# KiCad board PNCATEHO_v5_100x100.kicad_pcb
title: PNCATEHO_v0.5.1; date: 2021-06-23; rev: 0.5.1; company: Aroum
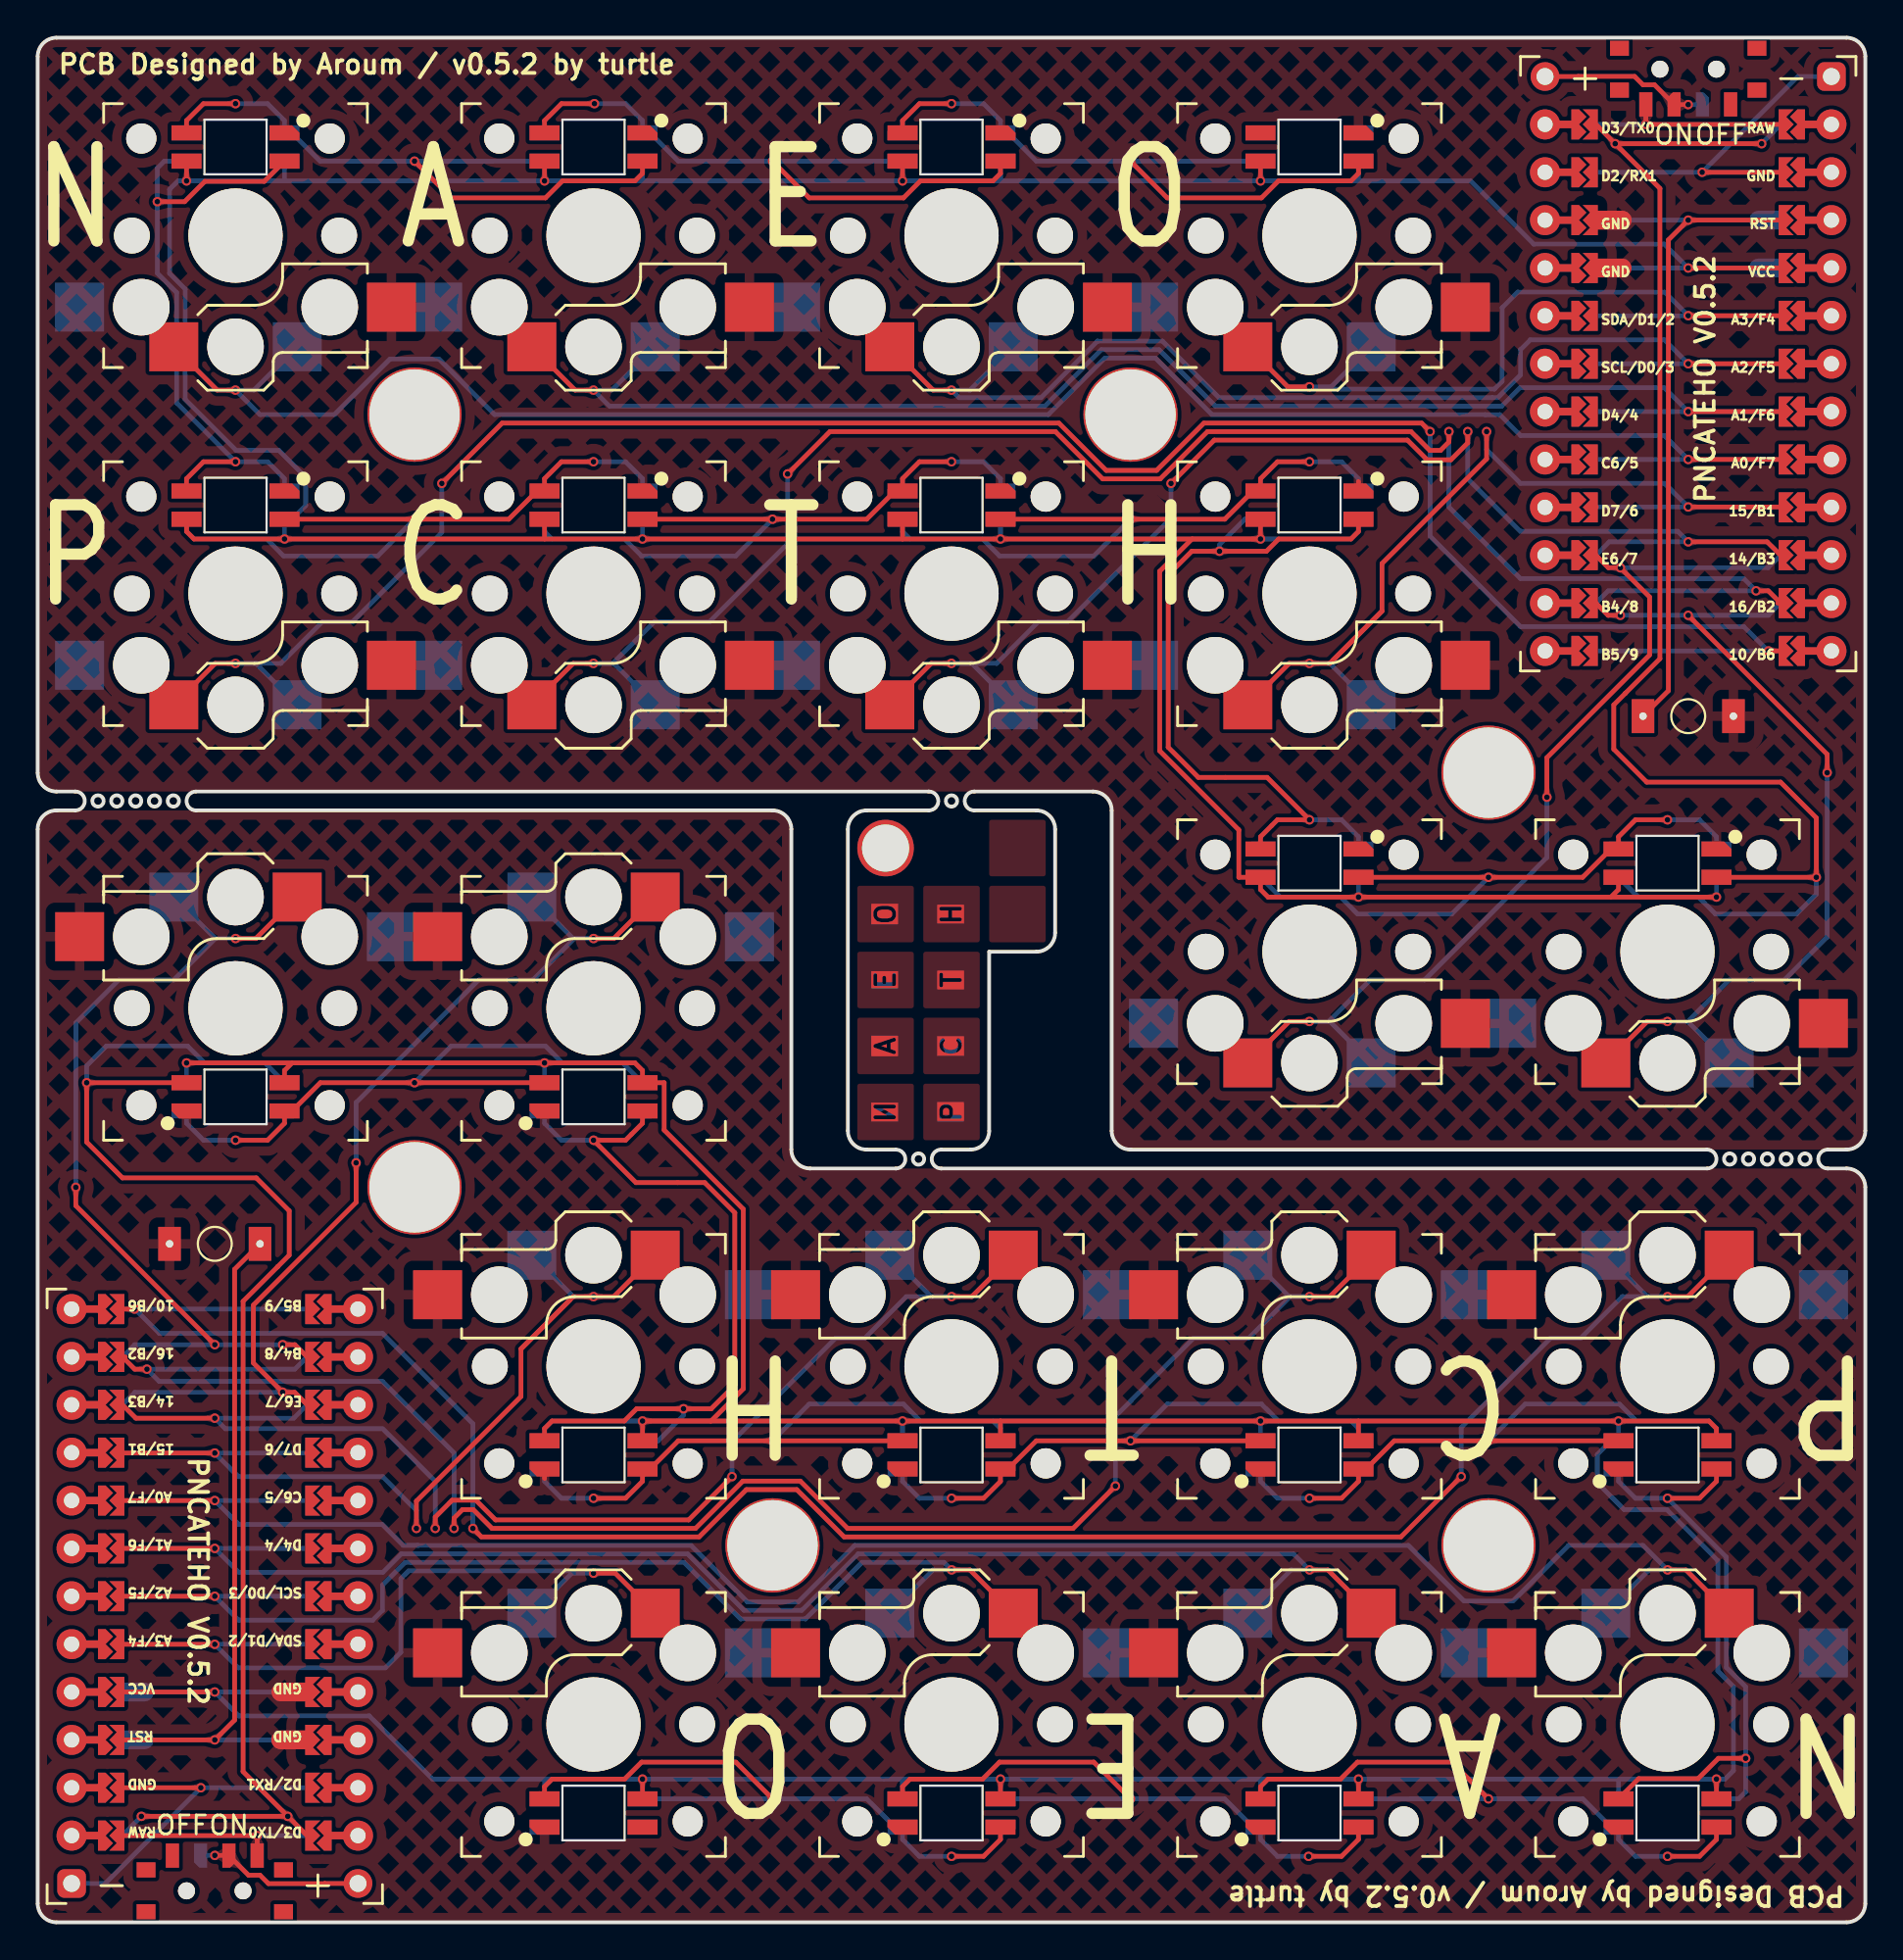
[diagram p0: board, top side]
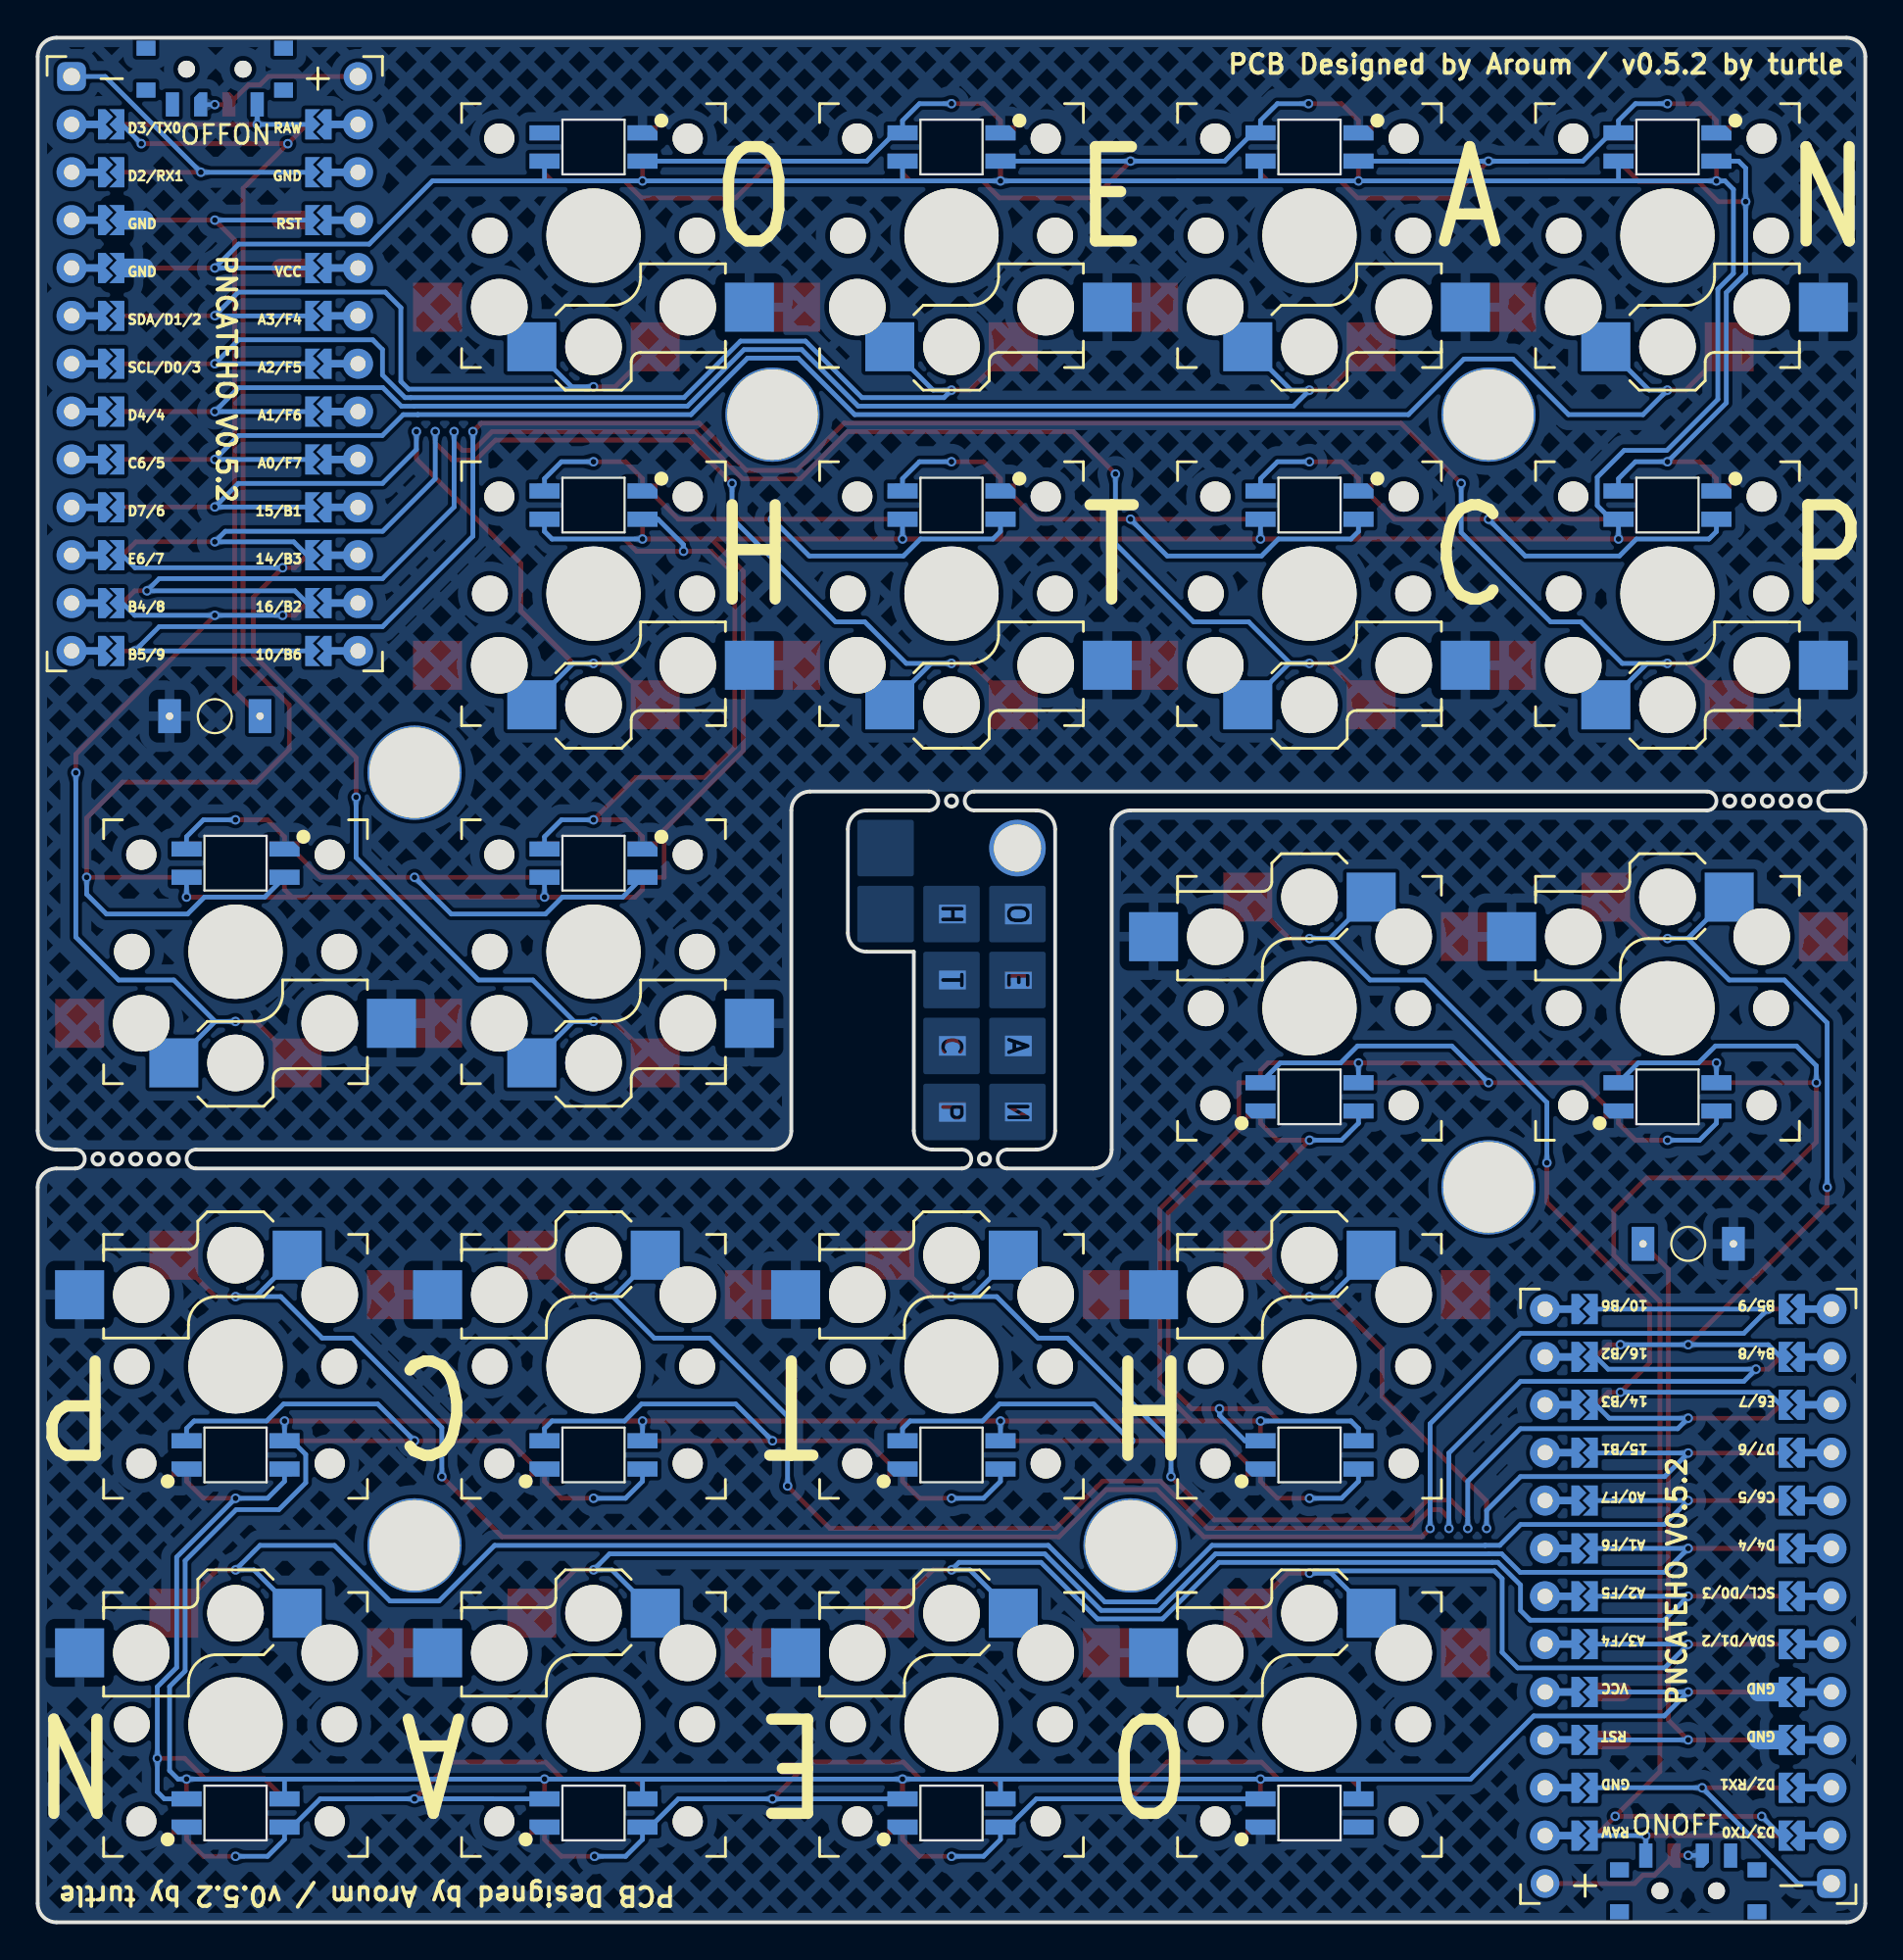
[diagram p1: board, bottom side, seen from below]

Outline 97 x 100 mm; copper layers: Top, Bottom. Coordinates in mm from the lower left corner of the outline.
Outline path: circle c3.2,59.5 r0.3 ; circle c4.2,59.5 r0.3 ; circle c5.2,59.5 r0.3 ; circle c6.2,59.5 r0.3 ; circle c7.2,59.5 r0.3 ; circle c46.75,40.5 r0.3 ; circle c48.5,59.5 r0.3 ; circle c89.8,40.5 r0.3 ; circle c90.8,40.5 r0.3 ; circle c91.8,40.5 r0.3 ; circle c92.8,40.5 r0.3 ; circle c93.8,40.5 r0.3 ; 0,99 0,61 arc(0.29,60.29) 1,60 2,60 arc(2.5,59.5) 2,59 1,59 arc(0.29,58.71) 0,58 0,1 arc(0.29,0.29) 1,0 96,0 arc(96.71,0.29) 97,1 97,39 arc(96.71,39.71) 96,40 95,40 arc(94.5,40.5) 95,41 96,41 arc(96.71,41.29) 97,42 97,99 arc(96.71,99.71) 96,100 1,100 arc(0.29,99.71) 0,99 ; 8.4,60 47.3,60 arc(47.8,59.5) 47.3,59 44,59 arc(43.29,58.71) 43,58 43,42 arc(43.29,41.29) 44,41 45.55,41 arc(46.05,40.5) 45.55,40 41,40 arc(40.29,40.29) 40,41 40,58 arc(39.71,58.71) 39,59 8.4,59 arc(7.9,59.5) 8.4,60 ; 47.95,41 49.5,41 arc(50.21,41.29) 50.5,42 50.5,51.5 53,51.5 arc(53.71,51.79) 54,52.5 54,58 arc(53.71,58.71) 53,59 49.7,59 arc(49.2,59.5) 49.7,60 56,60 arc(56.71,59.71) 57,59 57,42 arc(57.29,41.29) 58,41 88.6,41 arc(89.1,40.5) 88.6,40 47.95,40 arc(47.45,40.5) 47.95,41
Stack: Top 0.035mm / dielectric 1.51mm FR4 er 4.5 / Bottom 0.035mm

## Placement (name value [footprint] x y rotation side)
H1  -  [Hole]  77 20 180 top
H1#2  -  [Hole]  20 80 0 top
H2  -  [Hole]  39 20 180 top
H2#2  -  [Hole]  58 80 0 top
H3  -  [Hole]  20 39 180 top
H3#2  -  [Hole]  77 61 0 top
J1  TestPoint_2Pole  [battery_conn_duplex]  87.6 82.7 0 top
J1#2  TestPoint_2Pole  [battery_conn_duplex]  9.4 17.3 180 top
LED1  YS-SK6812MINI-E  [YS-SK6812MINI-E_duplex]  86.5 56.2 0 bottom
LED1#2  YS-SK6812MINI-E  [YS-SK6812MINI-E_duplex]  10.5 43.8 180 bottom
LED2  YS-SK6812MINI-E  [YS-SK6812MINI-E_duplex]  67.5 56.2 0 bottom
LED2#2  YS-SK6812MINI-E  [YS-SK6812MINI-E_duplex]  29.5 43.8 180 bottom
LED3  YS-SK6812MINI-E  [YS-SK6812MINI-E_duplex]  67.5 75.2 0 bottom
LED3#2  YS-SK6812MINI-E  [YS-SK6812MINI-E_duplex]  29.5 24.8 180 bottom
LED4  YS-SK6812MINI-E  [YS-SK6812MINI-E_duplex]  48.5 24.8 180 bottom
LED4#2  YS-SK6812MINI-E  [YS-SK6812MINI-E_duplex]  48.5 75.2 0 bottom
LED5  YS-SK6812MINI-E  [YS-SK6812MINI-E_duplex]  29.5 75.2 0 bottom
LED5#2  YS-SK6812MINI-E  [YS-SK6812MINI-E_duplex]  67.5 24.8 180 bottom
LED6  YS-SK6812MINI-E  [YS-SK6812MINI-E_duplex]  86.5 24.8 180 bottom
LED6#2  YS-SK6812MINI-E  [YS-SK6812MINI-E_duplex]  10.5 75.2 0 bottom
LED7  YS-SK6812MINI-E  [YS-SK6812MINI-E_duplex]  86.5 5.8 180 bottom
LED7#2  YS-SK6812MINI-E  [YS-SK6812MINI-E_duplex]  10.5 94.2 0 bottom
LED8  YS-SK6812MINI-E  [YS-SK6812MINI-E_duplex]  29.5 94.2 0 bottom
LED8#2  YS-SK6812MINI-E  [YS-SK6812MINI-E_duplex]  67.5 5.8 180 bottom
LED9  YS-SK6812MINI-E  [YS-SK6812MINI-E_duplex]  48.5 5.8 180 bottom
LED9#2  YS-SK6812MINI-E  [YS-SK6812MINI-E_duplex]  48.5 94.2 0 bottom
LED10  YS-SK6812MINI-E  [YS-SK6812MINI-E_duplex]  29.5 5.8 180 bottom
LED10#2  YS-SK6812MINI-E  [YS-SK6812MINI-E_duplex]  67.5 94.2 0 bottom
NOREF  -  [unnamed]  45 57 0 top
PSW1  SW_SPDT  [MSK-12C02_DUAL]  9.4 0.4 180 top
PSW1#2  SW_SPDT  [MSK-12C02_DUAL]  87.6 99.6 0 top
RSW1  SW_PUSH  [SW_3x4x2_2legs_duplex]  87.6 64 0 top
RSW1#2  SW_PUSH  [SW_3x4x2_2legs_duplex]  9.4 36 180 top
SW1  SW_PUSH  [Kailh_socket_PG1350_reversible]  86.5 10.5 180 top
SW1#2  SW_PUSH  [Kailh_socket_PG1350_reversible]  10.5 89.5 0 top
SW2  SW_PUSH  [Kailh_socket_PG1350_reversible]  29.5 89.5 0 top
SW2#2  SW_PUSH  [Kailh_socket_PG1350_reversible]  67.5 10.5 180 top
SW3  SW_PUSH  [Kailh_socket_PG1350_reversible]  48.5 89.5 0 top
SW3#2  SW_PUSH  [Kailh_socket_PG1350_reversible]  48.5 10.5 180 top
SW4  SW_PUSH  [Kailh_socket_PG1350_reversible]  29.5 10.5 180 top
SW4#2  SW_PUSH  [Kailh_socket_PG1350_reversible]  67.5 89.5 0 top
SW5  SW_PUSH  [Kailh_socket_PG1350_reversible]  86.5 29.5 180 top
SW5#2  SW_PUSH  [Kailh_socket_PG1350_reversible]  10.5 70.5 0 top
SW6  SW_PUSH  [Kailh_socket_PG1350_reversible]  67.5 29.5 180 top
SW6#2  SW_PUSH  [Kailh_socket_PG1350_reversible]  29.5 70.5 0 top
SW7  SW_PUSH  [Kailh_socket_PG1350_reversible]  48.5 70.5 0 top
SW7#2  SW_PUSH  [Kailh_socket_PG1350_reversible]  48.5 29.5 180 top
SW8  SW_PUSH  [Kailh_socket_PG1350_reversible]  67.5 70.5 0 top
SW8#2  SW_PUSH  [Kailh_socket_PG1350_reversible]  29.5 29.5 180 top
SW9  SW_PUSH  [Kailh_socket_PG1350_reversible]  29.5 48.5 180 top
SW9#2  SW_PUSH  [Kailh_socket_PG1350_reversible]  67.5 51.5 0 top
SW10  SW_PUSH  [Kailh_socket_PG1350_reversible]  86.5 51.5 0 top
SW10#2  SW_PUSH  [Kailh_socket_PG1350_reversible]  10.5 48.5 180 top
U1  ProMicro_r  [ProMicro_duplex_mirrored]  87.6 82.7 0 top
U1#2  ProMicro_r  [ProMicro_duplex_mirrored]  9.4 17.3 180 top

## Footprints (pads in the part's own frame, mm; a bottom-side part is the same pattern mirrored in y, then rotated)
battery_conn_duplex
  round 1.524 hole 0.9: 1(-7.6,15.24)
  rrect 1.524x1.524 hole 0.9: 2(7.6,15.24)
Hole
  round 5 hole 4.8 unplated: (0,0)
Kailh_socket_PG1350_reversible
  round 1.9 hole 1.9 unplated: (-5.5,0) (5.5,0)
  round 1.6 hole 1.6 unplated: (-5,5.15) (5,5.15)
  round 3 hole 3 unplated: (-5,-3.8) (0,-5.9) (5,-3.8)
  round 5 hole 5 unplated: (0,0)
  rect 2.6x2.6 smd: 1(-3.275,-5.9) 2(8.275,-3.8)
  rect 2.6x2.6 smd far side: 1(3.275,-5.9) 2(-8.275,-3.8)
MSK-12C02_DUAL
  rect 1x0.8 smd: (-3.65,-0.16) (-3.65,-2.38) (3.65,-0.16) (3.65,-2.38)
  rect 1x0.8 smd far side: (-3.65,-0.16) (-3.65,-2.38) (3.65,-0.16) (3.65,-2.38)
  round 0.9 hole 0.9 unplated: (-1.5,-1.27) (1.5,-1.27)
  rect 0.7x1.28 smd: 1(-2.25,-3.14) 3(2.25,-3.14)
  rect 0.7x1.28 smd far side: 1(-2.25,-3.14) 3(2.25,-3.14)
  rrect 0.7x1.28 smd: 2(-0.75,-3.14)
  rrect 0.7x1.28 smd far side: 2(0.75,-3.14)
ProMicro_duplex_mirrored
  custom 3x1.6 hole 0.813: (-7.6,12.7) (-7.6,10.16) (-7.6,7.62) (-7.6,5.08) (-7.6,2.54) (-7.6,0) (-7.6,-2.54) (-7.6,-5.08) (-7.6,-7.62) (-7.6,-10.16) (-7.6,-12.7) (-7.6,-15.24) (7.6,12.7) (7.6,10.16) (7.6,7.62) (7.6,5.08) (7.6,2.54) (7.6,0) (7.6,-2.54) (7.6,-5.08) (7.6,-7.62) (7.6,-10.16) (7.6,-12.7) (7.6,-15.24)
  custom 0.8x1.6 smd: 1(-4.9,12.7) 2(-4.9,10.16) 3(-4.9,7.62) 4(-4.9,5.08) 5(-4.9,2.54) 6(-4.9,0) 7(-4.9,-2.54) 8(-4.9,-5.08) 9(-4.9,-7.62) 10(-4.9,-10.16) 11(-4.9,-12.7) 12(-4.9,-15.24) 13(4.9,-15.24) 14(4.9,-12.7) 15(4.9,-10.16) 16(4.9,-7.62) 17(4.9,-5.08) 18(4.9,-2.54) 19(4.9,0) 20(4.9,2.54) 21(4.9,5.08) 22(4.9,7.62) 23(4.9,10.16) 24(4.9,12.7)
  custom 0.8x1.6 smd far side: 1(4.9,12.7) 2(4.9,10.16) 3(4.9,7.62) 4(4.9,5.08) 5(4.9,2.54) 6(4.9,0) 7(4.9,-2.54) 8(4.9,-5.08) 9(4.9,-7.62) 10(4.9,-10.16) 11(4.9,-12.7) 12(4.9,-15.24) 13(-4.9,-15.24) 14(-4.9,-12.7) 15(-4.9,-10.16) 16(-4.9,-7.62) 17(-4.9,-5.08) 18(-4.9,-2.54) 19(-4.9,0) 20(-4.9,2.54) 21(-4.9,5.08) 22(-4.9,7.62) 23(-4.9,10.16) 24(-4.9,12.7)
SW_3x4x2_2legs_duplex
  rect 1.2x1.8 hole 0.4: 1(-2.4,0) 2(2.4,0)
unnamed
  round 3 hole 2.5 unplated: (0,0)
YS-SK6812MINI-E_duplex
  rect 1.6x0.8 smd far side: 1(-2.6,0.75) 2(-2.6,-0.75) 4(2.6,0.75)
  rect 1.6x0.8 smd: 1(2.6,0.75) 2(2.6,-0.75) 4(-2.6,0.75)
  rrect 1.6x0.8 smd: 3(-2.6,-0.75)
  rrect 1.6x0.8 smd far side: 3(2.6,-0.75)

## Nets
GND: LED1.3 LED1#2.3 LED2.3 LED2#2.3 LED3.3 LED3#2.3 LED4.3 LED4#2.3 LED5.3 LED5#2.3 LED6.3 LED6#2.3 LED7.3 LED7#2.3 LED8.3 LED8#2.3 LED9.3 LED9#2.3 LED10.3 LED10#2.3 RSW1.2 RSW1#2.2 SW1.2 SW1#2.2 SW2.2 SW2#2.2 SW3.2 SW3#2.2 SW4.2 SW4#2.2 SW5.2 SW5#2.2 SW6.2 SW6#2.2 SW7.2 SW7#2.2 SW8.2 SW8#2.2 SW9.2 SW9#2.2 SW10.2 SW10#2.2 U1.3 U1.4 U1#2.3 U1#2.4
VBAT: PSW1.1 PSW1#2.1 U1.24 U1#2.24
VCC: LED1.1 LED1#2.1 LED2.1 LED2#2.1 LED3.1 LED3#2.1 LED4.1 LED4#2.1 LED5.1 LED5#2.1 LED6.1 LED6#2.1 LED7.1 LED7#2.1 LED8.1 LED8#2.1 LED9.1 LED9#2.1 LED10.1 LED10#2.1 U1.21 U1#2.21
LED: LED1.4 LED1#2.4 U1.1 U1#2.1
R1C1: SW1.1 SW1#2.1 U1.17 U1#2.17
R1C2: SW2.1 SW2#2.1 U1.18 U1#2.18
R1C3: SW3.1 SW3#2.1 U1.19 U1#2.19
R1C4: SW4.1 SW4#2.1 U1.20 U1#2.20
R2C1: SW5.1 SW5#2.1 U1.13 U1#2.13
R2C2: SW6.1 SW6#2.1 U1.14 U1#2.14
R2C3: SW7.1 SW7#2.1 U1.15 U1#2.15
R2C4: SW8.1 SW8#2.1 U1.16 U1#2.16
R3C4: SW9.1 SW9#2.1 U1.10 U1#2.10
R3C5: SW10.1 SW10#2.1 U1.11 U1#2.11
reset: RSW1.1 RSW1#2.1 U1.22 U1#2.22
Net-(J1-Pad2): J1.2 J1#2.2 U1.23 U1#2.23
Net-(LED1-DOUT): LED1.2 LED1#2.2 LED2.4 LED2#2.4
Net-(LED2-DOUT): LED2.2 LED2#2.2 LED3.4 LED3#2.4
Net-(LED3-DOUT): LED3.2 LED3#2.2 LED4.4 LED4#2.4
Net-(LED4-DOUT): LED4.2 LED4#2.2 LED5.4 LED5#2.4
Net-(LED5-DOUT): LED5.2 LED5#2.2 LED6.4 LED6#2.4
Net-(LED6-DOUT): LED6.2 LED6#2.2 LED7.4 LED7#2.4
Net-(LED7-DOUT): LED7.2 LED7#2.2 LED8.4 LED8#2.4
Net-(LED8-DOUT): LED8.2 LED8#2.2 LED9.4 LED9#2.4
Net-(LED10-DIN): LED9.2 LED9#2.2 LED10.4 LED10#2.4
Net-(PSW1-B): J1.1 J1#2.1 PSW1.2 PSW1#2.2

Pads without a net: LED10 2; LED10#2 2; PSW1 3; PSW1#2 3; U1 2 5 6 7 8 9 12; U1#2 2 5 6 7 8 9 12

## Via types
v1: diameter 0.5, hole 0.3, Top to Bottom, 132 vias

## Routing (per net, layer and track width the routed paths; a pad name or vN(x,y) marks a point on that pad's centre or on a via; arc(x,y) is an arc through that point)
GND: length 13.1
  Top w0.25: 70.1,75.8 70.1,76.45 ; 57.78,84.92 57.78,85.7 ; 39.22,15.08 39.22,14.3 ; 26.9,24.2 26.9,23.55
  Top w1: U1#2.3 12.9,9.68 ; U1#2.4 12.91,12.22 ; U1.3 84.1,90.32 ; U1.4 84.09,87.78
  Bottom w1: U1#2.4 5.66,12.22 ; U1.3 91.34,90.32 ; U1#2.3 5.66,9.68 ; U1.4 91.34,87.78
VBAT: length 23.8
  Top w0.25: U1.24 v1(85.35,95.4) PSW1#2.1 ; PSW1.1 v1(11.65,4.6) U1#2.24
  Bottom w0.25: U1#2.24 v1(11.65,4.6) PSW1.1 ; U1.24 v1(85.35,95.4) PSW1#2.1
VCC: length 504.4
  Top w0.25: v1(64.9,73.4) v1(51.1,73.4) 45.9,73.4 ; v1(64.9,73.4) LED3.1 ; v1(64.9,73.4) 61.26,73.4 59.55,71.69 59.55,62.16 63.75,57.96 63.75,55.45 LED2.1 64.9,54.8 65.3,54.4 v1(70.1,54.4) 83.5,54.4 ; LED5.1 26.9,73.4 ; 26.9,73.4 v1(32.1,73.4) 45.9,73.4 ; 26.9,73.4 v1(13.1,73.4) 8.3,73.4 7.9,73.8 LED6#2.1 ; LED9.1 v1(51.1,7.6) ; 51.1,26.6 v1(64.9,26.6) 70.1,26.6 ; 51.1,26.6 v1(45.9,26.6) v1(32.1,26.6) ; 51.1,26.6 LED4.1 ; 45.9,73.4 LED4#2.1 ; 83.5,54.4 83.9,54.8 LED1.1 ; 83.5,54.4 v1(89.1,54.4) ; v1(9.4,12.22) U1#2.21 ; LED1#2.1 13.1,45.2 13.5,45.6 ; 13.5,45.6 v1(26.9,45.6) 31.7,45.6 32.1,45.2 LED2#2.1 33.25,44.55 33.25,42.04 37.45,37.84 37.45,28.31 35.74,26.6 v1(32.1,26.6) ; 13.5,45.6 v1(7.9,45.6) ; v1(87.6,87.78) U1.21 ; LED8#2.1 v1(70.1,7.6) ; LED10.1 v1(32.1,7.6) ; LED3#2.1 v1(32.1,26.6) ; 70.1,26.6 LED5#2.1 ; 70.1,26.6 v1(83.9,26.6) 88.7,26.6 89.1,26.2 LED6.1 ; LED8.1 v1(26.9,92.4) ; LED7#2.1 v1(7.9,92.4) ; LED10#2.1 v1(64.9,92.4) ; LED9#2.1 v1(45.9,92.4) ; LED7.1 v1(89.1,7.6)
  Bottom w0.25: LED2#2.1 v1(26.9,45.6) ; 16.02,92.4 36.5,92.4 ; 36.5,92.4 32.1,92.4 LED8.1 ; 36.5,92.4 v1(45.9,92.4) 51.1,92.4 ; LED3#2.1 26.9,26.2 27.3,26.6 v1(32.1,26.6) ; v1(83.9,26.6) LED6.1 83.5,25.55 82.77,24.82 82.77,23.32 84.2,21.9 86.46,21.9 89.17,19.19 89.17,13.34 90,12.51 90,8.05 89.55,7.6 v1(89.1,7.6) 83.9,7.6 ; LED10.1 26.9,7.6 ; 26.9,7.6 20.95,7.6 17.6,10.95 10.67,10.95 v1(9.4,12.22) U1#2.21 ; 26.9,7.6 45.9,7.6 ; 13.1,92.4 16.75,92.4 ; 13.1,92.4 LED7#2.1 ; 13.1,92.4 v1(7.9,92.4) 7.45,92.4 7,91.95 7,87.49 7.83,86.66 7.83,80.81 10.54,78.1 12.8,78.1 14.23,76.68 14.23,75.18 13.5,74.45 LED6#2.1 v1(13.1,73.4) ; LED3.1 70.1,73.8 69.7,73.4 v1(64.9,73.4) ; LED4#2.1 v1(51.1,73.4) ; 83.9,7.6 80.25,7.6 ; 83.9,7.6 LED7.1 ; 45.9,7.6 LED9.1 ; 45.9,7.6 v1(51.1,7.6) 60.5,7.6 ; LED10#2.1 70.1,92.4 ; 70.1,92.4 76.05,92.4 79.4,89.05 86.33,89.05 v1(87.6,87.78) U1.21 ; 70.1,92.4 51.1,92.4 ; LED9#2.1 51.1,92.4 ; 60.5,7.6 64.9,7.6 LED8#2.1 ; 60.5,7.6 80.98,7.6 ; LED5#2.1 v1(64.9,26.6) ; LED1.1 v1(89.1,54.4) ; LED5.1 v1(32.1,73.4) ; LED1#2.1 v1(7.9,45.6) ; LED2.1 v1(70.1,54.4) ; LED4.1 v1(45.9,26.6)
LED: length 156.3
  Top w0.25: LED1#2.4 v1(2.6,44.55) 2.6,41.4 4.5,39.5 11.6,39.5 13.35,37.75 13.35,35.4 12.73,34.78 12.73,34.77 12.72,34.77 10.9,32.95 10.9,8 v1(13.27,5.62) ; v1(91.5,94.38) v1(83.72,94.38) ; v1(83.72,94.38) 86.1,92 86.1,67.05 84.28,65.23 84.27,65.23 84.27,65.22 83.65,64.6 83.65,62.25 85.4,60.5 92.5,60.5 94.4,58.6 v1(94.4,55.45) LED1.4 ; v1(83.72,94.38) U1.1 ; v1(5.5,5.62) v1(13.27,5.62) ; v1(13.27,5.62) U1#2.1
  Bottom w0.25: v1(2.6,44.55) 2.6,45.45 3.65,46.5 7.95,46.5 8.85,45.6 12.05,45.6 LED1#2.4 ; v1(5.5,5.62) 4.5,4.62 U1#2.1 ; LED1.4 84.95,54.4 88.14,54.4 89.05,53.5 93.35,53.5 94.4,54.55 v1(94.4,55.45) ; v1(91.5,94.38) 92.5,95.38 U1.1
R1C1: length 203.6
  Top w0.25: v1(10.5,81.3) 9.52,81.3 SW1#2.1 ; v1(86.5,18.7) 87.47,18.7 SW1.1 ; v1(87.6,77.62) U1.17 ; v1(9.4,22.38) U1#2.17
  Bottom w0.25: SW1#2.1 11.48,81.3 v1(10.5,81.3) 11.8,80 15.75,80 18.7,82.95 21.3,82.95 24.25,80 53.64,80 56.64,83 59.33,83 62.32,80 76.83,80 76.83,80 77.6,80 78.71,78.89 86.33,78.89 v1(87.6,77.62) U1.17 ; U1#2.17 v1(9.4,22.38) 10.67,21.11 18.29,21.11 19.4,20 20.17,20 20.17,20 34.68,20 37.67,17 40.36,17 43.36,20 72.75,20 75.7,17.05 78.3,17.05 81.25,20 85.2,20 v1(86.5,18.7) 85.53,18.7 SW1.1
R1C2: length 160.2
  Top w0.25: v1(67.5,18.7) 68.47,18.7 SW2#2.1 ; v1(87.6,80.16) U1.18 ; SW2.1 28.52,81.3 v1(29.5,81.3) ; v1(9.4,19.84) U1#2.18
  Bottom w0.25: U1#2.18 v1(9.4,19.84) 10.67,18.57 18.32,18.57 19.3,19.55 19.99,19.55 19.99,19.55 34.49,19.55 37.49,16.55 40.55,16.55 43.55,19.55 66.65,19.55 v1(67.5,18.7) 66.53,18.7 SW2#2.1 ; U1.18 v1(87.6,80.16) 86.33,81.43 78.68,81.43 77.7,80.45 77.01,80.45 77.01,80.45 62.51,80.45 59.51,83.45 56.45,83.45 53.45,80.45 30.35,80.45 v1(29.5,81.3) 30.48,81.3 SW2.1
R1C3: length 125.2
  Top w0.25: SW3#2.1 49.47,18.7 v1(48.5,18.7) ; v1(48.5,81.3) 47.53,81.3 SW3.1 ; v1(9.4,17.3) U1#2.19 ; v1(87.6,82.7) U1.19
  Bottom w0.25: SW3#2.1 47.53,18.7 v1(48.5,18.7) 48.1,19.1 43.75,19.1 40.75,16.1 37.3,16.1 34.3,19.1 19.8,19.1 19.8,19.1 19.5,19.1 18.3,17.9 18.3,16.55 17.78,16.03 10.67,16.03 v1(9.4,17.3) U1#2.19 ; SW3.1 49.47,81.3 v1(48.5,81.3) 48.9,80.9 53.25,80.9 56.25,83.9 59.7,83.9 62.7,80.9 77.2,80.9 77.2,80.9 77.5,80.9 78.7,82.1 78.7,83.45 79.22,83.97 86.33,83.97 v1(87.6,82.7) U1.19
R1C4: length 86.4
  Top w0.25: SW4#2.1 66.35,81.48 v1(67.5,81.48) ; v1(9.4,14.75) 4.51,14.75 ; SW4.1 30.65,18.52 v1(29.5,18.52) ; v1(87.6,85.25) 92.49,85.25
  Bottom w0.25: U1.20 87.49,85.24 87.5,85.25 v1(87.6,85.25) 86.35,86.5 78.55,86.5 77.72,85.67 77.72,81.76 77.32,81.35 67.75,81.35 67.62,81.48 v1(67.5,81.48) 68.65,81.48 SW4#2.1 ; SW4.1 28.35,18.52 v1(29.5,18.52) 29.38,18.52 29.25,18.65 19.68,18.65 19.27,18.24 19.27,14.33 18.45,13.5 10.65,13.5 v1(9.4,14.75) 9.5,14.75 9.51,14.76 U1#2.20
R2C1: length 234.4
  Top w0.25: v1(75.55,23.65) 72.35,20.45 42.8,20.45 40.29,22.96 37.61,22.96 35.1,20.45 23.55,20.45 v1(23.1,20.9) ; v1(21.45,76.35) 24.65,79.55 54.2,79.55 56.71,77.04 59.39,77.04 61.9,79.55 73.45,79.55 v1(73.9,79.1) ; SW5.1 87.58,33.2 v1(86.5,33.2) ; v1(10.5,66.8) 9.42,66.8 SW5#2.1 ; v1(5.14,32.54) U1#2.13 ; v1(91.86,67.46) U1.13
  Bottom w0.25: v1(21.45,76.35) 21.45,73.75 16.7,69 15.1,69 12.9,66.8 v1(10.5,66.8) 11.58,66.8 SW5#2.1 ; 14.3,32.55 U1#2.13 v1(5.14,32.54) 5.18,32.5 5.2,32.5 6.45,31.25 18.3,31.25 23.1,26.45 v1(23.1,20.9) ; 13.5,63.82 14,63.82 ; v1(73.9,79.1) 73.9,73.55 78.7,68.75 90.55,68.75 91.8,67.5 91.82,67.5 v1(91.86,67.46) U1.13 82.7,67.45 ; SW5.1 85.42,33.2 v1(86.5,33.2) 84.1,33.2 81.9,31 80.3,31 75.55,26.25 v1(75.55,23.65) ; 83.5,36.18 83,36.18
R2C2: length 193.9
  Top w0.25: v1(29.5,66.8) 28.42,66.8 SW6#2.1 ; v1(22.1,20.9) 22.1,21.45 22.55,21.9 23.11,21.9 24.11,20.9 34.92,20.9 37.43,23.41 40.48,23.41 42.99,20.9 54.95,20.9 v1(57.2,23.15) ; v1(5.8,29.35) 5.15,29.35 U1#2.14 4.65,30 ; v1(91.2,70.65) 91.85,70.65 U1.14 92.35,70 ; v1(74.9,79.1) 74.9,78.55 74.45,78.1 73.89,78.1 72.89,79.1 62.08,79.1 59.57,76.59 56.52,76.59 54.01,79.1 42.05,79.1 v1(39.8,76.85) ; v1(67.5,33.2) 68.58,33.2 SW6.1
  Bottom w0.25: 39.85,76.9 v1(39.8,76.85) 39.8,73.15 35.65,69 32.72,69 30.52,66.8 v1(29.5,66.8) 30.58,66.8 SW6#2.1 ; U1#2.14 13.65,29.35 v1(5.8,29.35) 6.45,28.7 18.3,28.7 22.1,24.9 v1(22.1,20.9) ; 57.15,23.1 v1(57.2,23.15) 57.2,26.85 61.35,31 64.28,31 66.48,33.2 v1(67.5,33.2) 66.42,33.2 SW6.1 ; U1.14 83.35,70.65 v1(91.2,70.65) 90.55,71.3 78.7,71.3 74.9,75.1 v1(74.9,79.1)
R2C3: length 138.5
  Top w0.25: 9.39,26.75 5.21,26.75 U1#2.15 ; v1(60.15,76.35) 62.45,78.65 72.7,78.65 73.75,77.6 75,77.6 75.9,78.5 v1(75.9,79.1) ; SW7#2.1 49.58,33.2 v1(48.5,33.2) ; 87.61,73.25 91.79,73.25 U1.15 ; SW7.1 47.42,66.8 v1(48.5,66.8) ; v1(21.1,20.9) 21.1,21.5 22,22.4 23.25,22.4 24.3,21.35 34.55,21.35 v1(36.85,23.65)
  Bottom w0.25: 87.59,73.25 83.41,73.25 U1.15 ; v1(75.9,79.1) 75.9,76.6 78.69,73.81 87.04,73.81 v1(87.6,73.25) ; SW7#2.1 47.42,33.2 v1(48.5,33.2) 46.1,33.2 43.9,31 42.35,31 36.85,25.5 v1(36.85,23.65) 36.77,23.58 ; 60.22,76.42 v1(60.15,76.35) 60.15,74.5 54.65,69 53.1,69 50.9,66.8 v1(48.5,66.8) 49.58,66.8 SW7.1 ; v1(9.4,26.75) 9.96,26.19 18.31,26.19 21.1,23.4 v1(21.1,20.9) ; 9.41,26.75 13.59,26.75 U1#2.15
R2C4: length 103.1
  Top w0.25: 25.65,30.42 28.25,33.03 ; 25.65,30.42 28.42,33.2 v1(29.5,33.2) 30.58,33.2 SW8#2.1 ; 25.65,30.42 25.65,27.9 20.1,22.35 v1(20.1,20.9) ; v1(76.9,79.1) 76.9,77.65 71.35,72.1 71.35,69.58 ; 71.35,69.58 68.75,66.97 ; 71.35,69.58 68.58,66.8 v1(67.5,66.8) 66.42,66.8 SW8.1 ; v1(9.4,24.9) 4.52,24.9 ; v1(87.6,75.1) 92.48,75.1
  Bottom w0.25: 70.75,64.6 SW8.1 68.58,66.8 v1(67.5,66.8) ; v1(76.9,79.1) 76.9,78.15 78.7,76.35 86.35,76.35 v1(87.6,75.1) 82.72,75.1 ; v1(29.5,33.2) 28.42,33.2 SW8#2.1 26.25,35.4 ; v1(20.1,20.9) 20.1,21.85 18.3,23.65 10.65,23.65 v1(9.4,24.9) 14.28,24.9
R3C4: length 106.4
  Top w0.25: v1(16.9,40.3) 16.9,38.2 11.45,32.75 11.45,29.67 v1(13,28.12) 13.63,28.12 U1#2.10 ; v1(80.1,59.7) 80.1,61.8 85.55,67.25 85.55,70.33 v1(84,71.88) 83.36,71.88 U1.10 ; v1(67.5,47.8) 66.42,47.8 SW9#2.1 ; v1(29.5,52.2) 30.58,52.2 SW9.1
  Bottom w0.25: U1.10 91.83,71.88 v1(84,71.88) ; SW9#2.1 68.58,47.8 v1(67.5,47.8) 68.52,47.8 70.72,50 73.6,50 80.1,56.5 v1(80.1,59.7) ; SW9.1 28.42,52.2 v1(29.5,52.2) 28.48,52.2 26.28,50 23.4,50 16.9,43.5 v1(16.9,40.3) ; v1(13,28.12) 5.16,28.12 U1#2.10
R3C5: length 96.2
  Top w0.25: v1(13,30.65) 13.65,30.65 U1#2.11 ; SW10.1 85.42,47.8 v1(86.5,47.8) ; v1(94.98,61) 94.98,61.97 v1(87.6,69.35) ; v1(84,69.35) 83.35,69.35 U1.11 ; v1(10.5,52.2) 11.58,52.2 SW10#2.1 ; v1(2.02,39) 2.02,38.03 v1(9.4,30.65)
  Bottom w0.25: U1#2.11 5.15,30.65 v1(9.4,30.65) v1(13,30.65) ; 87.58,47.8 SW10.1 ; 87.58,47.8 89.78,50 92.7,50 94.98,52.28 v1(94.98,61) ; 87.58,47.8 v1(86.5,47.8) ; v1(10.5,52.2) 9.42,52.2 ; 9.42,52.2 7.23,50 4.3,50 2.02,47.72 v1(2.02,39) ; 9.42,52.2 SW10#2.1 ; U1.11 91.85,69.35 v1(87.6,69.35) v1(84,69.35)
reset: length 74.2
  Top w0.25: RSW1.1 86.55,65.35 86.55,89.27 v1(87.6,90.32) U1.22 ; RSW1#2.1 10.45,34.65 10.45,10.73 v1(9.4,9.68) U1#2.22
  Bottom w0.25: v1(9.4,9.68) U1#2.22 ; v1(87.6,90.32) U1.22
Net-(J1-Pad2): length 37.5
  Top w0.25: v1(88.34,92.86) U1.23 ; v1(8.66,7.14) U1#2.23
  Bottom w0.25: U1#2.23 v1(8.66,7.14) 3.58,2.06 J1#2.2 ; U1.23 v1(88.34,92.86) 93.42,97.94 J1.2
Net-(LED1-DOUT): length 70.8
  Top w0.25: LED2#2.4 v1(20,44.55) 15,44.55 13.5,43.05 LED1#2.2 13.1,42.4 12.2,41.5 v1(10.5,41.5) ; LED2.4 v1(77,55.45) 82,55.45 83.5,56.95 LED1.2 83.9,57.6 84.8,58.5 v1(86.5,58.5)
  Bottom w0.25: v1(86.5,58.5) 88.2,58.5 89.1,57.6 LED1.2 ; v1(20,44.55) 21.95,46.5 26.95,46.5 27.85,45.6 31.05,45.6 LED2#2.4 ; LED2.4 65.95,54.4 69.15,54.4 70.05,53.5 75.05,53.5 v1(77,55.45) ; LED1#2.2 7.9,42.4 8.8,41.5 v1(10.5,41.5)
Net-(LED2-DOUT): length 80.6
  Top w0.25: LED3.4 70.1,73.8 69.7,73.4 65.86,73.4 65.21,72.75 v1(62.72,72.75) 61.25,72.75 60,71.5 60,62.35 61.6,60.75 65.25,60.75 v1(67.5,58.5) 65.8,58.5 64.9,57.6 LED2.2 ; LED3#2.4 26.9,26.2 27.3,26.6 31.14,26.6 31.79,27.25 v1(34.28,27.25) 35.75,27.25 37,28.5 37,37.65 35.4,39.25 31.75,39.25 v1(29.5,41.5) 31.2,41.5 32.1,42.4 LED2#2.2
  Bottom w0.25: LED2#2.2 26.9,42.4 27.8,41.5 v1(29.5,41.5) ; LED3#2.4 32.93,25.55 34.28,26.9 v1(34.28,27.25) ; LED2.2 70.1,57.6 69.2,58.5 v1(67.5,58.5) ; LED3.4 64.07,74.45 62.72,73.1 v1(62.72,72.75)
Net-(LED3-DOUT): length 71.5
  Top w0.25: v1(67.5,77.5) 65.8,77.5 64.9,76.6 LED3.2 64.5,75.95 63,74.45 v1(58,74.45) LED4#2.4 ; v1(29.5,22.5) 31.2,22.5 32.1,23.4 LED3#2.2 32.5,24.05 34,25.55 v1(39,25.55) LED4.4
  Bottom w0.25: v1(58,74.45) 56.05,72.5 51.05,72.5 50.15,73.4 46.3,73.4 45.9,73.8 LED4#2.4 ; v1(39,25.55) 40.95,27.5 45.95,27.5 46.85,26.6 50.7,26.6 51.1,26.2 LED4.4 ; v1(67.5,77.5) 69.2,77.5 70.1,76.6 LED3.2 ; v1(29.5,22.5) 27.8,22.5 26.9,23.4 LED3#2.2
Net-(LED4-DOUT): length 71.5
  Top w0.25: v1(48.5,22.5) 50.2,22.5 51.1,23.4 LED4.2 51.5,24.05 53,25.55 v1(58,25.55) LED5#2.4 ; LED5.4 v1(39,74.45) 44,74.45 45.5,75.95 LED4#2.2 45.9,76.6 46.8,77.5 v1(48.5,77.5)
  Bottom w0.25: LED5.4 26.9,73.8 27.3,73.4 31.15,73.4 32.05,72.5 37.05,72.5 v1(39,74.45) ; LED4.2 45.9,23.4 46.8,22.5 v1(48.5,22.5) ; LED5#2.4 70.1,26.2 69.7,26.6 65.85,26.6 64.95,27.5 59.95,27.5 v1(58,25.55) ; v1(48.5,77.5) 50.2,77.5 51.1,76.6 LED4#2.2
Net-(LED5-DOUT): length 71.5
  Top w0.25: LED6.4 v1(77,25.55) 72,25.55 70.5,24.05 LED5#2.2 70.1,23.4 69.2,22.5 v1(67.5,22.5) ; LED6#2.4 v1(20,74.45) 25,74.45 26.5,75.95 LED5.2 26.9,76.6 27.8,77.5 v1(29.5,77.5)
  Bottom w0.25: LED5.2 32.1,76.6 31.2,77.5 v1(29.5,77.5) ; v1(20,74.45) 18.05,72.5 13.05,72.5 12.15,73.4 8.3,73.4 7.9,73.8 LED6#2.4 ; v1(67.5,22.5) 65.8,22.5 64.9,23.4 LED5#2.2 ; LED6.4 89.1,26.2 88.7,26.6 84.85,26.6 83.95,27.5 78.95,27.5 v1(77,25.55)
Net-(LED6-DOUT): length 67.8
  Top w0.25: LED7#2.4 12.03,92.38 8.88,92.38 7.8,91.3 v1(6.35,91.3) ; LED6#2.2 7.9,76.6 8.8,77.5 v1(10.5,77.5) ; v1(90.65,8.7) 89.2,8.7 88.12,7.62 84.97,7.62 LED7.4 ; v1(86.5,22.5) 88.2,22.5 89.1,23.4 LED6.2
  Bottom w0.25: LED7#2.4 6.72,93.45 6.35,93.08 v1(6.35,91.3) 6.35,87.5 7.38,86.48 7.38,80.62 v1(10.5,77.5) 12.2,77.5 13.1,76.6 LED6#2.2 ; LED6.2 83.9,23.4 84.8,22.5 v1(86.5,22.5) 89.62,19.38 89.62,13.52 90.65,12.5 v1(90.65,8.7) 90.65,6.92 90.28,6.55 LED7.4
Net-(LED7-DOUT): length 83.9
  Top w0.25: LED7#2.2 7.9,95.6 8.8,96.5 v1(10.5,96.5) ; v1(20,93.45) 21.95,91.5 26.95,91.5 27.85,92.4 31.7,92.4 32.1,92.8 LED8.4 ; v1(86.5,3.5) 88.2,3.5 89.1,4.4 LED7.2 ; LED8#2.4 64.9,7.2 65.3,7.6 69.15,7.6 70.05,8.5 75.05,8.5 v1(77,6.55)
  Bottom w0.25: v1(86.5,3.5) 84.8,3.5 83.9,4.4 LED7.2 83.51,5.05 82.01,6.55 v1(77,6.55) LED8#2.4 ; 24.15,93.45 17.95,93.45 ; 72.85,6.55 79.05,6.55 ; LED8.4 v1(20,93.45) 14.99,93.45 13.49,94.95 LED7#2.2 13.1,95.6 12.2,96.5 v1(10.5,96.5)
Net-(LED8-DOUT): length 71.5
  Top w0.25: LED9#2.4 51.1,92.8 50.7,92.4 46.85,92.4 45.95,91.5 40.95,91.5 v1(39,93.45) ; v1(58,6.55) 56.05,8.5 51.05,8.5 50.15,7.6 46.3,7.6 45.9,7.2 LED9.4 ; LED8.2 26.9,95.6 27.8,96.5 v1(29.55,96.5) ; LED8#2.2 70.1,4.4 69.2,3.5 v1(67.45,3.5)
  Bottom w0.25: LED9#2.4 v1(39,93.45) 34,93.45 32.5,94.95 LED8.2 32.1,95.6 31.2,96.5 v1(29.55,96.5) ; LED9.4 v1(58,6.55) 63,6.55 64.5,5.05 LED8#2.2 64.9,4.4 65.8,3.5 v1(67.45,3.5)
Net-(LED10-DIN): length 73.3
  Top w0.25: LED9#2.2 45.9,95.6 46.8,96.5 v1(48.5,96.5) ; v1(48.5,3.5) 50.2,3.5 51.1,4.4 LED9.2 ; 26.62,6.83 LED10.4 ; LED10.4 26.9,7.2 27.3,7.6 31.15,7.6 32.05,8.5 37.05,8.5 v1(39,6.55) ; LED10.4 26.5,6.55 ; LED10#2.4 70.1,92.8 69.7,92.4 65.85,92.4 64.95,91.5 59.95,91.5 v1(58,93.45) ; LED10#2.4 70.38,93.17 ; LED10#2.4 70.5,93.45
  Bottom w0.25: v1(48.5,3.5) 46.8,3.5 45.9,4.4 LED9.2 45.5,5.05 44,6.55 v1(39,6.55) 32,6.55 ; v1(48.5,96.5) 50.2,96.5 51.1,95.6 LED9#2.2 51.5,94.95 53,93.45 v1(58,93.45) 65,93.45
Net-(PSW1-B): length 18
  Top w0.25: v1(87.6,96.45) 86.86,96.45 PSW1#2.2 85.81,97.5 85.2,97.5 84.75,97.95 81.77,97.95 81.76,97.94 J1.1 ; J1#2.1 15.24,2.06 15.23,2.05 12.25,2.05 11.8,2.5 11.19,2.5 PSW1.2 10.14,3.55 v1(9.4,3.55)
  Bottom w0.25: v1(87.6,96.45) 88.34,96.45 PSW1#2.2 ; PSW1.2 8.66,3.55 v1(9.4,3.55)
unconnected-(U1-D7/6-Pad9): length 0.1
  Top w0.25: 82.72,75.1 82.7,75.08 ; 14.28,24.9 14.3,24.92
unconnected-(U1-D7/6-Pad9)_1: length 0.1
  Bottom w0.25: 4.52,24.9 4.5,24.92 ; 92.48,75.1 92.5,75.08
unconnected-(U1-SDA/D1/2-Pad5)_1: length 0
  Bottom w0.25: 92.49,85.25 92.5,85.24 ; 4.51,14.75 4.5,14.76

## Copper pours and planes (outline as drawn; the poured copper is in the pictures)
GND on Top, Bottom: -6.8,104.6 103.2,104.6 103.2,-10.35 -6.8,-10.35
(no net) on Top, Bottom: 56,59 56,41 41,41 41,59

Small or netless copper shapes (teardrops, artwork), in the pictures only: 176 on Top, 188 on Bottom

## Text on the board
Bottom: О | Е | А | И | Н | Т | С | Р
B.Silkscreen: PCB Designed by Aroum / v0.5.2 by turtle | PNCATEHO V0.5.2 | N | P | A | C | E | T | O | H
Top: О | Е | А | И | Н | Т | С | Р
F.Silkscreen: PCB Designed by Aroum / v0.5.2 by turtle | PNCATEHO V0.5.2 | N | P | A | C | E | T | O | H
